# Altium PCB Synchronous Buck Solar Charge Controller Board.PcbDoc
Units mm, origin at the board's own origin, x right, y up, seen from the top; angles counter-clockwise.
Board outline 155.25 x 99.75 mm, 2 copper layers (Top Layer, Bottom Layer); 92 components, 42 nets, 268 pads, 42 vias.
Unrouted connection lines stored in the file: 1.
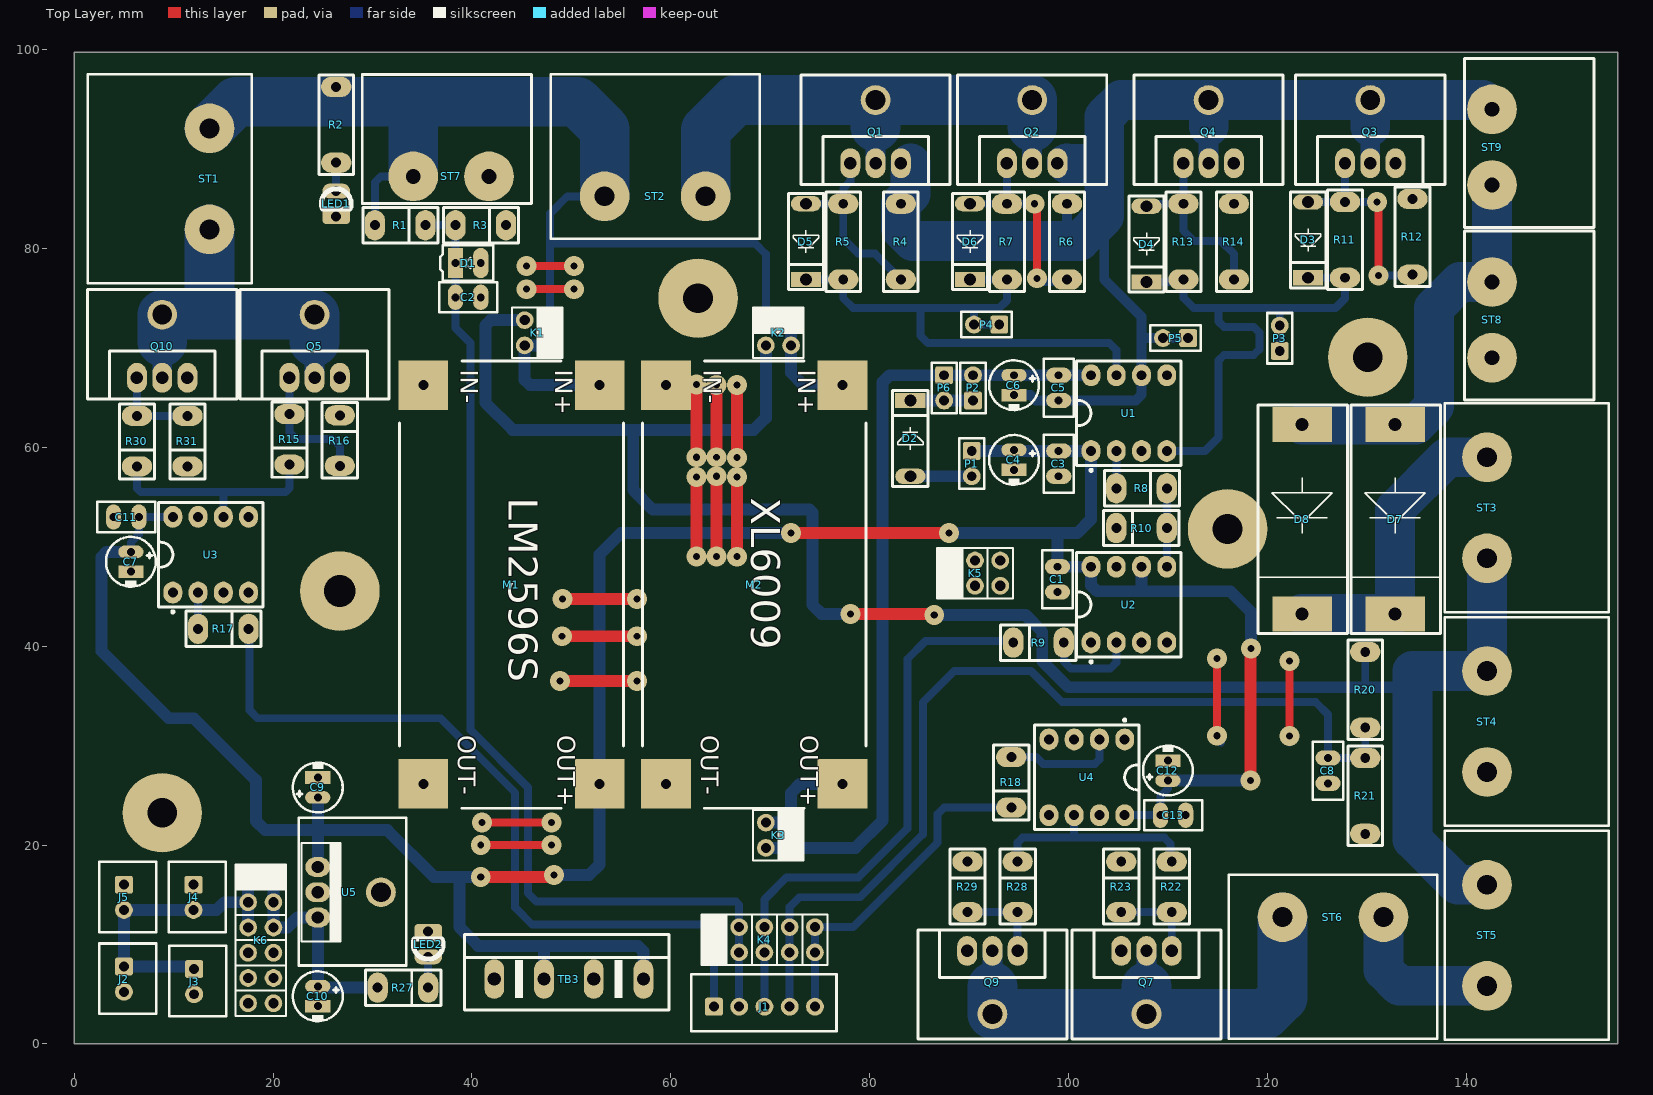
[diagram p0: Top Layer view]
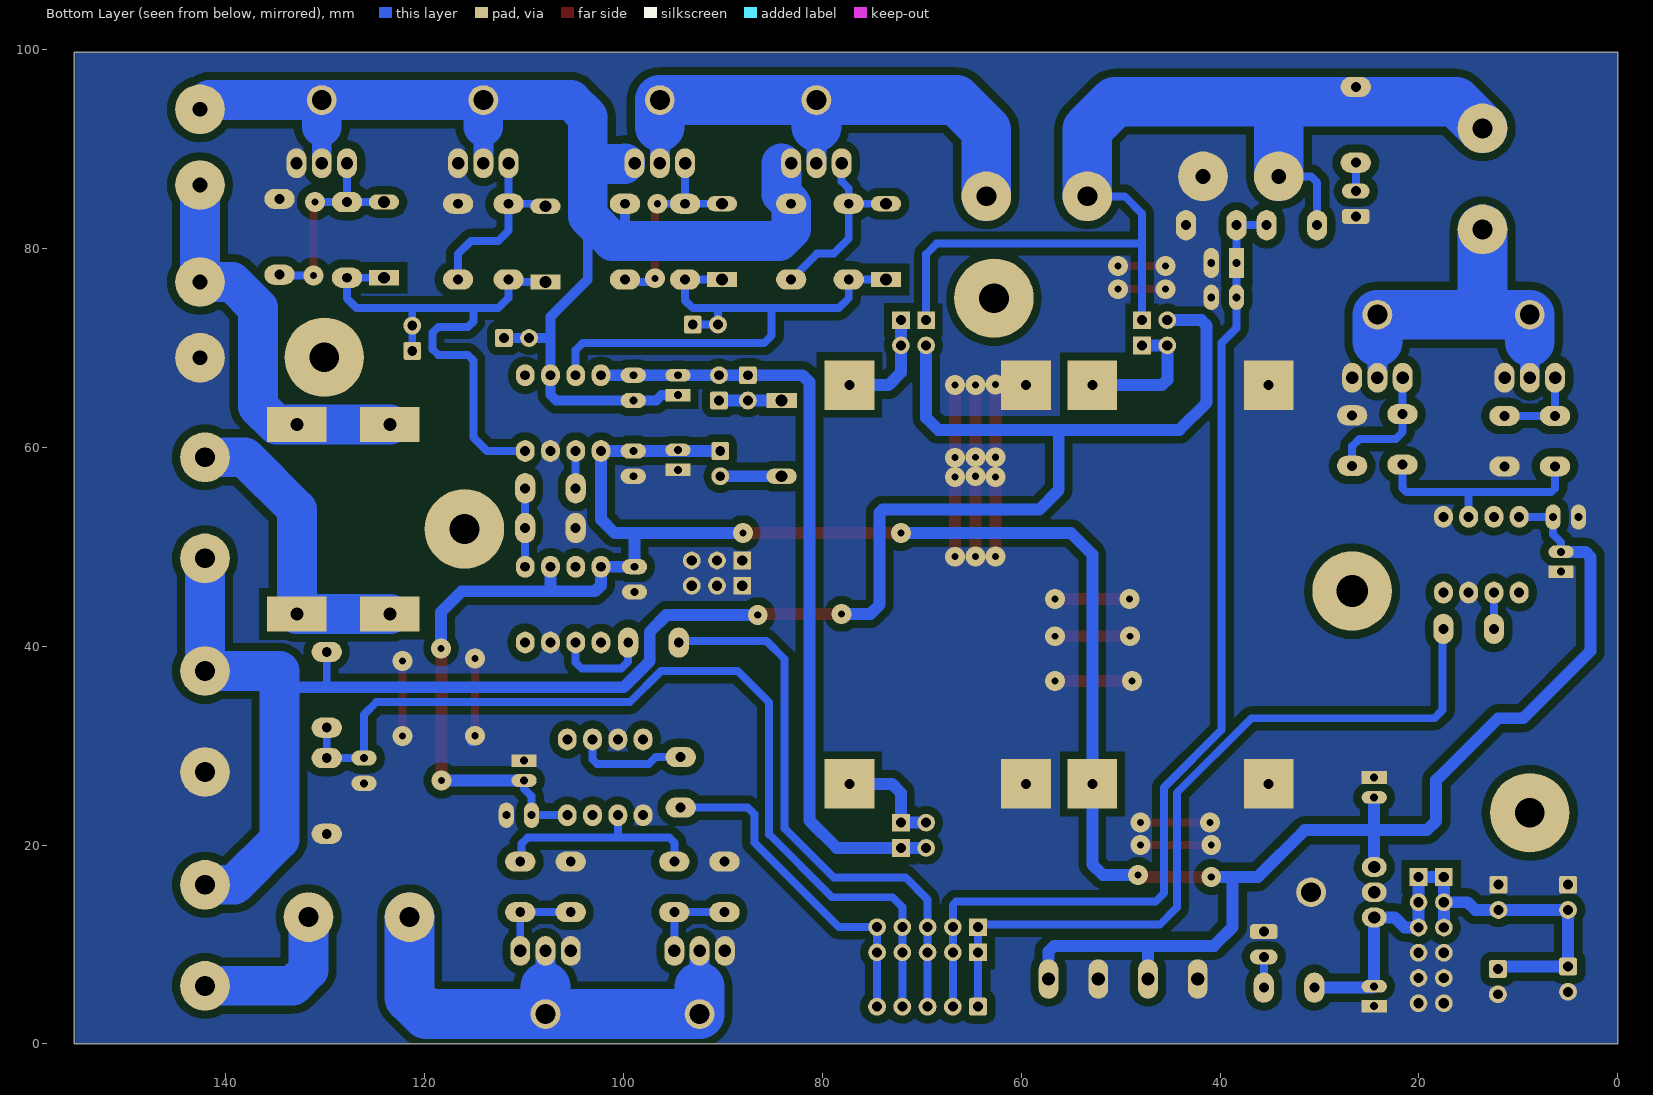
[diagram p1: Bottom Layer view, seen from below]

## Layer stack, top to bottom
Top Solder: solder mask 0.0102, Solder Resist, Dk 3.5
Top Layer: signal copper 0.0356
Dielectric 1: dielectric 0.32, FR-4, Dk 4.8
Bottom Layer: signal copper 0.0356
Bottom Solder: solder mask 0.0102, Solder Resist, Dk 3.5

## Board outline
0,0 0,99.75 155.25,99.75 155.25,0

## Design rules (kind name [scope] priority, off if disabled: settings)
Clearance Clearance_1 [InPolygon] p1: gap=0.8 ignorepadtopadclearanceinfootprint=FALSE
Clearance [All] p2: gap=0.5 ignorepadtopadclearanceinfootprint=FALSE
DiffPairsRouting [All] p1: maxlimit=0.254 minlimit=0.254 mostfreqgap=0.254 toplayer_minwidth=0.8 toplayer_maxwidth=0.8 toplayer_prefwidth=0.8 bottomlayer_minwidth=0.8 bottomlayer_maxwidth=0.8 bottomlayer_prefwidth=0.8 maxuncoupledlength=12.7
MatchedLengths "Schematic Matched Net Lengths" [InNet('G_N')] p1: tolerance=25.4 checknetsindiffpair=FALSE checkdiffpairvsdiffpair=TRUE checkxsignals=TRUE checkothers=TRUE
MatchedLengths "Schematic Matched Net Lengths_3" [InNet('G_P')] p2: tolerance=25.4 checknetsindiffpair=FALSE checkdiffpairvsdiffpair=TRUE checkxsignals=TRUE checkothers=TRUE
PlaneConnect [All] p1: planeconnectstyle=Direct reliefexpansion=0.508 reliefentries=4 reliefconductorwidth=0.254 reliefairgap=0.254
PolygonConnect [All] p1: connectstyle=Direct reliefconductorwidth=0.254 reliefentries=4 polygonreliefangle="90 Angle" airgapwidth=0.254
RoutingVias [All] p1: holewidth=0.711 width=2 viastyle="Through Hole" minholewidth=0.711 minwidth=2 maxholewidth=0.711 maxwidth=2
SolderMaskExpansion [All] p1: expansion=0.102 istentingtop=FALSE
Width [All] p1: maxlimit=5 minlimit=0.8 preferedwidth=0.8
28 further rules are at their usual default settings.

## Classes and differential pairs
differential pair class G: G
differential pair G: +G_P -G_N

## Components (designator, comment, footprint, x,y, rotation, side; value= is the part's Value field where it differs from the comment)
C1 "470nF" "CCAP 0.1 N Y" 98.89,46.73 r270 top
C2 "100pF" "CCAP 0.1 N Y" 39.62,75.1 r0 top
C3 "100nF" "CCAP 0.1 N Y" 99.02,58.37 r270 top
C4 "10uF/50V" "ECAP 5X11X2MM" 94.52,59.75 r270 top
C5 "100nF" "CCAP 0.1 N Y" 99.02,65.99 r270 top
C6 "10uF/50V" "ECAP 5X11X2MM" 94.52,67.26 r270 top
C7 "4.7uF/35V" "ECAP 5X11X2MM" 5.702,49.5 r270 top
C8 "100pF" "CCAP 0.1 N Y" 126.1,27.49 r270 top
C9 "10uF/35V" "ECAP 5X11X2MM" 24.5,24.8 r90 top
C10 "10uF/35V" "ECAP 5X11X2MM" 24.5,5.8 r270 top
C11 "100nF" "CCAP 0.1 N Y" 5.23,53 r180 top
C12 "4.7uF/35V" "ECAP 5X11X2MM" 110,26.5 r90 top
C13 "100nF" "CCAP 0.1 N Y" 110.52,23.01 r0 top
D1 "DIODE" DIODE-1N400X_0.1 39.62,78.544 r0 top
D2 "DIODE" DIODE-1N400X_0.3 84.1,60.91 r90 top
D3 "DIODE" DIODE-1N400X_0.3 124.1,80.875 r270 top
D4 "DIODE" DIODE-1N400X_0.3 107.85,80.45 r270 top
D5 "DIODE" DIODE-1N400X_0.3 73.6,80.7 r270 top
D6 "DIODE" DIODE-1N400X_0.3 90.1,80.7 r270 top
D7 "10A DIODE" "DIODE 10A 0.75" 132.85,52.775 r270 top
D8 "10A DIODE" "DIODE 10A 0.75" 123.5,52.775 r270 top
J1 "DATA CONNECTOR *5" "MOLEX *5_DATA CONNECTOR" 69.42,3.75 r0 top
J2 "DATA CONNECTOR *2" "MOLEX *2_DATA CONNECTOR" 5,6.52 r270 top
J3 "DATA CONNECTOR *2" "MOLEX *2_DATA CONNECTOR" 12.06,6.27 r270 top
J4 "DATA CONNECTOR *2" "MOLEX *2_DATA CONNECTOR" 12,14.75 r270 top
J5 "DATA CONNECTOR *2" "MOLEX *2_DATA CONNECTOR" 5,14.75 r270 top
K1 "HEADER-2X2-Male" HEADER-2X2 47.85,72.8 r270 top
K2 "HEADER-2X2-Male" HEADER-2X2 69.56,72.8 r0 top
K3 "HEADER-2X2-Male" HEADER-2X2 72.1,22.26 r270 top
K4 "HEADER-2X5-Male" HEADER-2X5 64.34,9.21 r90 top
K5 "HEADER-2X3-Male" HEADER-2X3 88.06,46.088 r90 top
K6 "HEADER-2X6-Male" HEADER-2X6 17.5,16.795 r0 top
LED1 "LED" "LED 3MM GREEN" 26.35,84.51 r270 top
LED2 "LED" "LED 3MM BLUE" 35.6,10.03 r90 top
M1 "LM2596" "LM2956S BUCK CONVETER" 43.98,46.21 r270 top
M2 "XL6009" "DC TO DC CONVERTER XL6009" 68.4,46.21 r270 top
P1 "Header - 2 - Male" "PINHEADER X2" 90.27,58.37 r270 top
P2 "Header - 2 - Male" "PINHEADER X2" 90.4,65.99 r90 top
P3 "Header - 2 - Male" "PINHEADER X2" 121.25,70.98 r90 top
P4 "Header - 2 - Male" "PINHEADER X2" 91.77,72.357 r180 top
P5 "Header - 2 - Male" "PINHEADER X2" 110.77,71 r180 top
P6 "Header - 2 - Male" "PINHEADER X2" 87.5,65.99 r270 top
Q1 "IRF3205SPBF" "TRANSISTOR/HEATSINK -TO-220" 80.6,91.76 r0 top
Q2 "IRF3205SPBF" "TRANSISTOR/HEATSINK -TO-220" 96.35,91.76 r0 top
Q3 "IRF3205SPBF" "TRANSISTOR/HEATSINK -TO-220" 130.35,91.76 r0 top
Q4 "IRF3205SPBF" "TRANSISTOR/HEATSINK -TO-220" 114.1,91.76 r0 top
Q5 "IRF3205SPBF" "TRANSISTOR/HEATSINK -TO-220" 24.176,70.175 r0 top
Q7 "IRF3205SPBF" "TRANSISTOR/HEATSINK -TO-220" 107.85,6.185 r180 top
Q9 "IRF3205SPBF" "TRANSISTOR/HEATSINK -TO-220" 92.35,6.185 r180 top
Q10 "IRF3205SPBF" "TRANSISTOR/HEATSINK -TO-220" 8.85,70.175 r0 top
R1 "30K" "RESISTOR _0" 32.784,82.35 r180 top
R2 "4.7K" "RESISTOR _1" 26.35,92.45 r90 top
R3 "7.5K" "RESISTOR _0" 40.89,82.35 r180 top
R4 "10K" "RESISTOR _1" 83.14,80.7 r90 top
R5 "10R" "RESISTOR _1" 77.35,80.7 r90 top
R6 "10K" "RESISTOR _1" 99.85,80.7 r90 top
R7 "10R" "RESISTOR _1" 93.81,80.7 r90 top
R8 "4.7R" "RESISTOR _0" 107.35,55.89 r180 top
R9 "330R" "RESISTOR _0" 96.988,40.37 r0 top
R10 "4.7K" "RESISTOR _0" 107.35,51.89 r0 top
R11 "10R" "RESISTOR _1" 127.81,80.875 r90 top
R12 "10K" "RESISTOR _1" 134.6,81.181 r270 top
R13 "10R" "RESISTOR _1" 111.56,80.7 r90 top
R14 "10K" "RESISTOR _1" 116.64,80.7 r270 top
R15 "4.7R" "RESISTOR _0" 21.654,60.81 r90 top
R16 "10K" "RESISTOR _0" 26.716,60.691 r270 top
R17 "470R" "RESISTOR _0" 15,41.75 r180 top
R18 "470R" "RESISTOR _0" 94.25,26.315 r90 top
R20 "30K" "RESISTOR _1" 129.85,35.62 r90 top
R21 "7.5K" "RESISTOR _1" 129.85,24.95 r90 top
R22 "4.7R" "RESISTOR _0" 110.39,15.8 r270 top
R23 "10K" "RESISTOR _0" 105.31,15.8 r270 top
R27 "1k" "RESISTOR _0" 33.06,5.666 r180 top
R28 "4.7R" "RESISTOR _0" 94.89,15.8 r270 top
R29 "10K" "RESISTOR _0" 89.85,15.8 r270 top
R30 "4.7R" "RESISTOR _0" 6.31,60.635 r90 top
R31 "10K" "RESISTOR _0" 11.39,60.635 r90 top
ST1 "SCREW TERMINAL" "SCREW TERMINAL" 13.6,87.01 r270 top
ST2 "SCREW TERMINAL" "SCREW TERMINAL" 58.43,85.26 r180 top
ST3 "SCREW TERMINAL" "SCREW TERMINAL" 142.1,53.93 r90 top
ST4 "SCREW TERMINAL" "SCREW TERMINAL" 142.1,32.43 r90 top
ST5 "SCREW TERMINAL" "SCREW TERMINAL" 142.1,10.93 r90 top
ST6 "SCREW TERMINAL" "SCREW TERMINAL" 126.6,12.76 r0 top
ST7 "2 Pole Power Terminal" "SCREW TERMINAL GREEN" 41.72,87.26 r180 top
ST8 "2 Pole Power Terminal" "SCREW TERMINAL GREEN" 142.6,69.02 r90 top
ST9 "2 Pole Power Terminal" "SCREW TERMINAL GREEN" 142.6,86.39 r90 top
TB3 "Terminal block 4 pin" AK500/4_BLUE 49.75,6.53 r0 top
U1 "IR2111" IC_DIP8 102.27,59.64 r90 top
U2 "6N136" IC_DIP8 102.27,40.38 r90 top
U3 "TLP250(F)" IC_DIP8 9.92,45.4 r90 top
U4 "TLP250(F)" IC_DIP8 105.656,30.63 r270 top
U5 "LM7805" "V-REG/HEATSINK - TO - 220" 27.675,15.26 r270 top

## Footprints (in the part's own frame and the unit in brackets; to place one, negate y for a bottom-side part, rotate by r counter-clockwise, add the part's x,y. Pads: shape width x height; smd on the part's side, far side on the other; paste and mask are expansions set on the pad)
AK500/4_BLUE [mil]
  oval 78x156 hole 52: 1(295.28,0) 2(98.43,0) 3(-98.43,0) 4(-295.28,0)
  silkscreen extent -413,-122 396,177, body extent -417,-120 394,179, height 402
"CCAP 0.1 N Y" [mm] "CERAMIC CAP"
  oval 1.524x2.54 hole 0.8: 1(-1.27,0) 2(1.27,0)
  silkscreen extent -2.92,-1.52 2.92,1.52, body extent -2.9,-0.81 2.95,0.88, height 6.73
"DC TO DC CONVERTER XL6009" [mm]
  rect 5x5 hole 1: IN+(-20.05,8.87) IN-(-20.05,-8.87) OUT+(20.05,8.87) OUT-(20.05,-8.87)
  silkscreen extent -22.5,-11.25 22.5,11.25, body extent -21.59,-10.54 21.59,10.54, height 12.75
"DIODE 10A 0.75" [mm]
  rect 3.556x6 hole 1.3: A(-9.525,0) K(9.525,0)
  silkscreen extent -11.5,-4.45 11.5,4.57, body extent -10.09,-4.35 10.09,4.45, height 9.1
DIODE-1N400X_0.1 [mil]
  oval 60x120 hole 31.5: A(50,0)
  rect 60x120 hole 31.5: K(-50,0)
  silkscreen extent -110,-70 100,70, body extent -60,-49 99,49, height 258
DIODE-1N400X_0.3 [mil]
  oval 60x120 hole 47.24: A(-150,0)
  rect 60x120 hole 47.24: K(150,0)
  silkscreen extent -190,-70 190,70, body extent -160,-48 160,50, height 99
"ECAP 5X11X2MM" [mm] "polarized cap"
  oval 1.27x2.54 hole 0.8: A(0,0)
  rect 1.27x2.54 hole 0.8: K(2,0)
  silkscreen extent -1.5,-2.5 3.5,2.5, body extent -1.5,-2.5 3.51,2.5, height 11.01
HEADER-2X2 [mil]
  rect 70x70 hole 40: 1(0,0) 2(100,0)
  round 70 hole 40: 3(0,-100) 4(100,-100)
  silkscreen extent -50,-150 150,50, body extent -50,-150 150,50, height 470
HEADER-2X3 [mil]
  rect 70x70 hole 40: 1(0,0) 2(100,0)
  round 70 hole 40: 3(0,-100) 4(100,-100) 5(0,-200) 6(100,-200)
  silkscreen extent -50,-250 150,50, body extent -50,-250 150,50, height 470
HEADER-2X5 [mil]
  rect 70x70 hole 40: 1(0,0) 2(100,0)
  round 70 hole 40: 3(0,-100) 4(100,-100) 5(0,-200) 6(100,-200) 7(0,-300) 8(100,-300) 9(0,-400) 10(100,-400)
  silkscreen extent -50,-450 150,50, body extent -50,-450 150,50, height 470
HEADER-2X6 [mil]
  rect 70x70 hole 40: 1(0,0) 2(100,0)
  round 70 hole 40: 3(0,-100) 4(100,-100) 5(0,-200) 6(100,-200) 7(0,-300) 8(100,-300) 9(0,-400) 10(100,-400) 11(0,-500) 12(100,-500)
  silkscreen extent -50,-550 150,50, body extent -50,-550 150,50, height 470
IC_DIP8 [mm]
  oval 2.2x1.9 hole 1: 1(0,0) 2(0,-2.54) 3(0,-5.08) 4(0,-7.62) 5(7.62,-7.62) 6(7.62,-5.08) 7(7.62,-2.54) 8(7.62,0)
  silkscreen extent -2.07,-9.06 9.06,1.44, body extent -1.27,-9.04 8.93,1.42, height 7.88
"LED 3MM BLUE" [mil]
  oval 60x110 hole 39.37: A(-50,0)
  rrect50% 60x110 hole 39.37: K(50,0)
  silkscreen extent -59,-59 20,59, body extent -65,-65 61,65, height 183
"LED 3MM GREEN" [mil]
  oval 60x110 hole 39.37: A(-50,0)
  rrect50% 60x110 hole 39.37: K(50,0)
  silkscreen extent -59,-59 20,59, body extent -65,-65 65,65, height 204
"LM2956S BUCK CONVETER" [mm]
  rect 5x5 hole 1: IN+(-20.05,8.87) IN-(-20.05,-8.87) OUT+(20.05,8.87) OUT-(20.05,-8.87)
  silkscreen extent -22.5,-11.25 22.5,11.25, body extent -21.59,-10.54 21.59,10.54, height 12.75
"MOLEX *2_DATA CONNECTOR" [mm]
  rrect25% 1.8x1.8 hole 1: 1(-1.27,0)
  round 1.8 hole 1: 2(1.27,0)
  silkscreen extent -3.59,-2.49 3.5,3.25, body extent -3.59,-2.49 3.59,3.35, height 7.31
"MOLEX *5_DATA CONNECTOR" [mm]
  rrect25% 1.8x1.8 hole 1: 1(-5.08,0)
  round 1.8 hole 1: 2(-2.54,0) 3(0,0) 4(2.54,0) 5(5.08,0)
  silkscreen extent -7.34,-2.49 7.25,3.25, body extent -7.34,-2.49 7.34,3.35, height 7.21
"PINHEADER X2" [mm]
  rrect25% 1.8x1.8 hole 1: 1(-1.27,0)
  round 1.8 hole 1: 2(1.27,0)
  silkscreen extent -2.54,-1.27 2.54,1.27, body extent -2.54,-1.27 2.54,1.27, height 9.5
"RESISTOR _0" [mil]
  oval 80x120 hole 39.37: 1(-100,0) 2(100,0)
  silkscreen extent -150,-70 148,70, body extent -144,-45 110,46, height 421
"RESISTOR _1" [mil]
  oval 80x120 hole 39.37: 1(-150,0) 2(150,0)
  silkscreen extent -197,-69 197,69, body extent -162,-47 162,47, height 95
"SCREW TERMINAL" [mm]
  round 5 hole 2: 1(-5.08,0) 2(5.08,0)
  silkscreen extent -10.5,-12.25 10.5,4.25, body extent -10.52,-12.18 10.53,4.32, height 18.5
"SCREW TERMINAL GREEN" [mm] "Terminal Block - 7.62mm - Assortment"
  round 5 hole 1.5: 1(0,0) 2(7.62,0)
  silkscreen extent -4.25,-10.25 12.75,2.75, body extent -4.29,-10.2 12.78,1.81, height 12.22
"TRANSISTOR/HEATSINK -TO-220" [mm] "TO-220_HS"
  oval 2x3 hole 1.25: 1(-2.54,-3.175) 2(0,-3.175) 3(2.54,-3.175)
  round 3 hole 2: 2(0,3.175)
  silkscreen extent -7.5,-5.3 7.5,5.7, body extent -7.49,-5.33 7.51,5.67, height 20
"V-REG/HEATSINK - TO - 220" [mm]
  oval 2x2.5 hole 1.25: 1(-2.54,-3.175) 2(0,-3.175) 3(2.54,-3.175)
  round 3 hole 2: 2(0,3.175)
  silkscreen extent -7.49,-5.08 7.37,5.72, body extent -7.42,-5.02 7.37,5.78, height 23.8

## Part data
C1: library part Ceramic_CAP_470nF
C2 C8: library part Ceramic_CAP_100pF
C3 C5 C11 C13: library part Ceramic_CAP_100nF
C4 C6: library part ECAP-10uF-50V, "10uF ±20% 50V 5x11 1000Hrs @ 105? Radial,5x11mm Aluminum Electrolytic Capacitors - Leaded RoHS"
C7 C12: library part ECAP-4.7uF-35V, "4.7uF ±20% 35V 5x11 7000Hrs @ 105? Radial,5x11mm Aluminum Electrolytic Capacitors - Leaded RoHS"
C9 C10: library part ECAP-10uF-35V, "10uF ±20% 35V 5x11 2000Hrs @ 105? Radial,5x11mm Aluminum Electrolytic Capacitors - Leaded RoHS"
D7 D8: library part DIODE_10A05, "10A05-THRU-10A10 / VOLTAGE RANGE 50 to 1000 Volts CURRENT 10 Amperes"
J1: "Data Cable JST 5-pin"
J2 J3 J4 J5: "Data Cable JST 2-pin"
M1: library part "DC TO DC CONVERTER LM2596", "ADJUSTABLE DC/DC POWER CONVERTER"
M2: library part "DC TO DC CONVERTER XL6009", "ADJUSTABLE DC/DC POWER CONVERTER"
P1 P2 P3 P4 P5 P6: "Header, 2-Pin", LatestRevisionDate=17-Jul-2002, LatestRevisionNote="Re-released for DXP Platform.", Publisher="Altium Limited"
Q1 Q2: "N-Channel 55V 110A _Tc_ 200W _Tc_ Surface Mount D2PAK", Package="D2PAK Infineon", Availability=Unavailable, MF="Infineon Technologies", MP=IRF3205SPBF, Price=None, SnapEDA_Link=https://www.snapeda.com/parts/IRF3205SPBF/Infineon%20Technologies/view-part/576468/?ref=snap
Q3 Q4 Q5 Q7 Q9 Q10: "N-Channel 55V 110A 200W", Package="D2PAK Infineon", Availability=Unavailable, MF="Infineon Technologies", MP=IRF3205SPBF, Price=None, SnapEDA_Link=https://www.snapeda.com/parts/IRF3205SPBF/Infineon%20Technologies/view-part/576468/?ref=snap
R1 R20: library part RESISTOR_30K
R2 R10: library part RESISTOR_4.7K
R3 R21: library part RESISTOR_7.5K
R4 R6 R12 R14 R16 R23 R29 R31: library part RESISTOR_10K
R5 R7 R11 R13: library part RESISTOR_10R
R8 R15 R22 R28 R30: library part RESISTOR_4.7R
R9: library part RESISTOR_330R
R17 R18: library part RESISTOR_470R
R27: library part RESISTOR_1K
ST1 ST2 ST3 ST4 ST5 ST6: "Barrier Terminal Block 2 Pin with cover 300V/25A"
ST7 ST8 ST9: library part "Screw Terminal Green", "KF762 Power Terminal Pitch 7.62mm Screw Block Connector 300V 20A 3Pin"
TB3: "Terminal Block 3 Pin 10A 300V"
U1: "IR2111 - 600 V 200/420 mA 20 V Supply Quad High And Low Side Driver - PDIP-8"
U2: "Optoisolator Transistor with Base Output 5300Vrms 1 Channel 8-DIP", Package="DIP-8 Vishay Semiconductor", Availability=Unavailable, MF="Vishay Semiconductor", MP=6N136, Price=None, SnapEDA_Link=https://www.snapeda.com/parts/6N136/Vishay%20Semiconductor%20Opto%20Division/view-part/2773791/?ref=snap
U3 U4: "Optocoupler; THT; Out: IGBT driver; 2.5kV; DIP8; 1.5A", Package="DIP-8 Toshiba", Availability=Unavailable, MF=Toshiba, MP=TLP250_F_, Price=None, SnapEDA_Link=https://www.snapeda.com/parts/TLP250%28F%29/Toshiba%20Semiconductor%20and%20Storage/view-part/?ref=snap
U5: "78xx Regulators"

## Free pads (board coordinates)
  round 8 hole 3: MH(8.85,23.25) MH(62.75,75.01) MH(116,51.799) MH(130.096,69.063)
  round 8 hole 3.2: MH(26.716,45.55)

## Via types
v1: diameter 2, hole 0.711, Top Layer to Bottom Layer, 24 vias
v2: diameter 2, hole 0.7, Top Layer to Bottom Layer, 18 vias

## Nets (pads, with @x,y where several pads share a name; then routed paths per layer and width w, separated by ;. In a path a pad name is that pad's centre, name@x,y a point inside that pad or via, vN(x,y) a via of type N, cw(c..) or ccw(c..) an arc to the next point about the centre after c; other vN are vias at no path point)
5V: C10.A J2.1 J3.1 J4.2 J5.2 K6.1 K6.2 K6.3 K6.4 K6.5 K6.6 R27.2 U5.3 | length 56.2
  Bottom Layer w1.2: J3.1 11.81,7.79 J2.1 J5.2 J4.2 14.339,13.48 15.114,14.255 K6.3 ; K6.5 K6.1 K6.2 K6.6 21.436,11.715 22.441,12.72 U5.3 C10.A 24.634,5.666 R27.2
12V: C1.1 C3.1 C4.A C7.A C9.A C11.1 C12.A C13.1 M1.OUT+ P1.1 TB3.1 TB3.3 U1.1 U2.6 U2.8 U3.8 U4.8 U5.1 | length 281.9
  Top Layer w1.2: v1(40.89,16.795) 48.045,16.795 v1(48.25,17) ; v1(72.1,51.382) 79.012,51.382 ; 79.25,51.382 v1(88,51.382) ; v1(118.295,26.5) 118.295,39.687 118.372,39.764 v1(118.35,39.786)
  Bottom Layer w0.8: C7.A 5.702,50.452 6.5,51.25 C11.1 6.52,53.02 U3.8 ; U4.8 C13.1 109.25,24.918 110,25.668 C12.A
  Bottom Layer w1.2: C7.A 3.25,49.5 2.75,49 2.75,39.5 9.49,32.76 12.04,32.76 18.269,26.531 18.269,22.429 19.197,21.5 24.5,21.5 ; C9.A 24.5,21.5 ; U5.1@24.56,17.86 U5.1 24.5,21.5 ; v1(40.89,16.795) 38.75,16.795 ; TB3.3 47.25,9.87 ; v1(48.25,17) 51.8,17 52.85,18.05 M1.OUT+ 52.85,49.254 54.978,51.382 v1(72.1,51.382) ; TB3.1 57.25,9.32 56.7,9.87 47.25,9.87 ; v1(88,51.382) 99.02,51.382 ; P1.1 C3.1 U1.1 102.27,52.77 100.882,51.382 99.02,51.382 ; U2.6 107.35,45.532 ; C12.A v1(118.295,26.5) ; v1(118.35,39.786) 118.35,43.465 116.283,45.532 107.35,45.532 ; 24.5,21.5 31.5,21.5 36.205,16.795 38.75,16.795 ; 38.75,16.795 38.75,11.75 40.63,9.87 47.25,9.87 ; 99.02,51.382 98.89,51.252 C1.1 U2.8 102.27,46.132 102.87,45.532 107.35,45.532
Battery_FB: C8.1 J1.4 K4.7 K4.8 R20.1 R21.2 | length 94.8
  Bottom Layer w0.8: J1.4 K4.8 71.96,13.773 72.947,14.76 79.02,14.76 85.35,21.09 85.35,34.35 88.512,37.512 96.241,37.512 99.376,34.377 124.873,34.377 126.1,33.15 C8.1 R21.2 R20.1
CELL_CUTOFF: R15.1 R30.1 U3.6 | length 22.7
  Bottom Layer w0.8: R30.1 6.31,55.89 6.7,55.5 15,55.5 ; U3.6 15,55.5 ; R15.1 21.654,55.904 21.25,55.5 15,55.5
CELL_EN: J1.1 K4.1 K4.2 R17.1 | length 78.7
  Bottom Layer w0.8: R17.1 17.62,41.67 17.62,33.586 18.446,32.76 36.85,32.76 44.35,25.26 44.35,13.72 46.07,12 64.09,12 K4.2 J1.1
G_N: D3.K D4.K P3.1 P3.2 R11.1 R13.1 U1.4 | length 58.5
  Bottom Layer w0.8: D4.K 111.31,76.64 R13.1 111.56,75.05 112.6,74.01 115.1,74.01 ; U1.4 113.74,59.64 115.1,61 115.1,63.76 115.1,68.75 115.66,69.31 118.637,69.31 119.197,69.87 119.197,71.55 118.637,72.11 115.66,72.11 115.1,72.67 115.1,73.51 115.1,74.01 ; P3.1 P3.2 121.25,74.01 ; D3.K R11.1 127.81,74.97 126.85,74.01 121.25,74.01 ; 115.1,74.01 121.25,74.01
G_P: D5.K D6.K P4.1 P4.2 R5.1 R7.1 U1.7 | length 58.5
  Bottom Layer w0.8: D5.K R5.1 77.35,75.01 78.35,74.01 85.1,74.01 ; D6.K R7.1 93.81,74.789 93.031,74.01 90.353,74.01 ; P4.1 P4.2 90.5,73.863 90.353,74.01 ; U1.7 104.81,69.8 104.1,70.51 85.85,70.51 85.1,71.26 85.1,74.01 ; 85.1,74.01 90.353,74.01
GND: C1.2 C2.2 C3.2 C4.K C7.K C8.2 C9.K C10.K C11.2 C12.K C13.2 D1.A J2.2 J3.2 J4.1 J5.1 K5.1 K5.2 K5.3 K5.4 K5.5 K5.6 K6.7 K6.8 K6.9 K6.10 K6.11 K6.12 LED1.K LED2.K M1.IN- M1.OUT- M2.IN- M2.OUT- Q3.3 Q4.3 Q5.3 Q7.3 Q9.3 Q10.3 R3.1 R10.1 R12.1 R14.1 R16.1 R21.1 R23.1 R29.1 R31.1 ST4.1 ST7.1 ST8.1 TB3.2 TB3.4 U1.3 U2.3 U3.3 U3.5 U4.3 U4.5 U5.2 | length 109.4
  Top Layer w0.8: v2(40.89,20) v2(48,20) ; v2(41,22.26) v2(48,22.26) ; v2(45.5,75.914) v2(50.25,75.914) ; v2(45.5,78.25) v2(50.25,78.25) ; v1(114.933,31) v1(114.933,38.781) ; v1(122.25,30.971) v1(122.25,38.511)
  Top Layer w1.2: v2(48.85,36.51) v2(56.591,36.51) ; v2(49.06,41.01) v2(56.591,41.01) ; v1(49.1,44.76) v1(56.591,44.76) ; v1(62.6,49.016) v1(62.6,57.01) ; v1(62.6,59.01) v1(62.6,66.335) ; v1(64.6,49.015) v1(64.6,57.1) ; v2(64.6,59.01) v2(64.6,66.26) ; v2(66.658,49.01) v2(66.658,57.01) ; v2(66.658,58.965) v2(66.658,66.26)
  Bottom Layer w0.8: v1(114.933,31) 114.933,30.76 v1@115.35,30.343 ; v1(122.25,30.971) 122.25,30.35 v1@122.257,30.343
  Bottom Layer w1.2: v1(62.6,57.01) v1@62.6,57.26
LAOD_CUTOFF: R22.1 R28.1 U4.6 | length 22.8
  Bottom Layer w0.8: R28.1 94.89,20.25 95.39,20.75 100.5,20.75 ; U4.6 100.576,20.826 100.5,20.75 ; R22.1 111.036,18.34 110.25,19.126 110.25,20.14 109.64,20.75 100.5,20.75
Load_EN: J1.5 K4.9 K4.10 R18.1 | length 34.4
  Bottom Layer w0.8: J1.5 K4.10 78.34,11.75 86.85,20.26 86.85,23.118 87.507,23.775 R18.1
NetD2_A: D2.A P1.2 | length 6.2
  Bottom Layer w1.2: D2.A P1.2
NetD2_K: D2.K P2.1 P6.2 | length 6.3
  Bottom Layer w1.2: D2.K P6.2 P2.1
NetD3_A: D3.A Q3.1 R11.2 R12.2 | length 21.6
  Top Layer w0.8: v1(131.2,77.3) v1@131.2,84.685
  Bottom Layer w0.8: D3.A R11.2 ; Q3.1 R11.2 ; v1(131.025,84.685) R11.2 ; v1(131.2,77.3) 134.529,77.3 R12.2
NetD4_A: D4.A Q4.1 R13.2 R14.2 | length 19.2
  Bottom Layer w0.8: D4.A 108.1,84.51 R13.2 ; Q4.1 R13.2 ; R14.2 116.64,79.47 115.35,80.76 112.6,80.76 111.56,81.8 R13.2
NetD5_A: D5.A Q1.1 R4.1 R5.2 | length 19.1
  Bottom Layer w0.8: D5.A R5.2 ; Q1.1 78.06,86.76 77.35,86.05 R5.2 ; R4.1 80.52,79.51 78.85,79.51 77.35,81.01 R5.2
NetD6_A: D6.A Q2.1 R6.1 R7.2 | length 21.7
  Top Layer w0.8: v1(96.6,84.51) 96.85,84.26 v1(96.85,77.01)
  Bottom Layer w0.8: D6.A R7.2 ; Q2.1 R7.2 ; v1(96.6,84.51) R7.2 ; v1(96.85,77.01) 96.85,76.64 99.6,76.64 R6.1
NetD7_A: D7.A D8.A ST8.2 ST9.1 | length 40.6
  Bottom Layer w4: D8.A D7.A 134.93,62.3 136.777,64.147 136.777,74.05 139.367,76.64 ST8.2 ST9.1
NetK1_2: K1.2 K1.4 M1.IN+ | length 13.8
  Bottom Layer w1.2: K1.2 K1.4 45.31,66.8 45.85,66.26 M1.IN+
NetK2_2: K2.2 K2.4 M2.IN+ | length 11
  Bottom Layer w1.2: K2.2 72.1,67.51 73.35,66.26 M2.IN+
NetK3_1: K3.1 K3.3 M2.OUT+ | length 11.1
  Bottom Layer w1.2: K3.3 K3.1 72.1,25.26 73,26.16 M2.OUT+
NetLED1_A: LED1.A R2.1 | length 2.9
  Bottom Layer w0.8: LED1.A R2.1
NetLED2_A: LED2.A R27.1 | length 3.1
  Bottom Layer w0.8: R27.1 LED2.A
NetQ5_1: Q5.1 R15.2 R16.2 | length 13.1
  Bottom Layer w0.8: Q5.1 21.654,66.982 R15.2 21.654,61.524 22.328,60.85 25.988,60.85 26.716,60.123 R16.2
NetQ5_2: Q5.2 Q10.2 ST1.2 | length 36.7
  Bottom Layer w2: Q10.2@8.85,67 8.85,70.617 ; Q5.2@24.176,67 24.176,70.617
  Bottom Layer w5: 8.85,70.617 8.85,73.35 13.85,73.35 ; ST1.2 13.6,73.6 13.85,73.35 ; 24.176,70.617 24.176,73.35 13.85,73.35
NetQ7_1: Q7.1 R22.2 R23.2 | length 9
  Bottom Layer w0.8: R23.2 R22.2 Q7.1
NetQ7_2: Q7.2 Q9.2 ST6.1 | length 50.6
  Bottom Layer w2: 92.35,5.743 Q9.2@92.35,9.36 ; 107.85,5.743 Q7.2@107.85,9.36
  Bottom Layer w5: 92.35,5.743 92.35,3.01 Q7.2@107.85,3.01 ; 107.85,5.743 Q7.2@107.85,3.01 ; ST6.1 121.52,4.68 119.85,3.01 Q7.2@107.85,3.01
NetQ9_1: Q9.1 R28.2 R29.2 | length 8.9
  Bottom Layer w0.8: R29.2 R28.2 Q9.1
NetQ10_1: Q10.1 R30.2 R31.2 | length 8.9
  Bottom Layer w0.8: Q10.1 R30.2 R31.2
NetR8_1: R8.1 R10.2 U2.5 | length 7.9
  Bottom Layer w0.8: U2.5 R10.2 R8.1
NetR8_2: R8.2 U1.2 | length 3.8
  Bottom Layer w0.8: R8.2 U1.2
NetR9_2: R9.2 U2.2 | length 9.7
  Bottom Layer w0.8: R9.2 99.528,38.468 100.246,37.75 104.192,37.75 104.81,38.368 U2.2
NetR17_2: R17.2 U3.2 | length 3.7
  Bottom Layer w0.8: R17.2 U3.2
NetR18_2: R18.2 U4.2 | length 11.4
  Bottom Layer w0.8: R18.2 96.758,28.855 97.456,28.157 102.646,28.157 103.116,28.627 U4.2
NetST5_1: ST5.1 ST6.2 | length 16.4
  Bottom Layer w4: ST6.2 131.68,7.444 133.274,5.85 ST5.1
PWM: J1.3 K4.5 K4.6 R9.1 | length 56.6
  Bottom Layer w0.8: J1.3 K4.5 K4.6 69.42,14.54 71.64,16.76 78.89,16.76 83.79,21.66 83.79,38.7 85.61,40.52 94.298,40.52 R9.1
VB: C5.1 C6.A K3.2 K3.4 P2.2 P6.1 U1.8 | length 78.2
  Bottom Layer w1.2: K3.4 K3.2 78.56,19.72 81.3,22.46 81.3,64.92 81.3,66.56 82,67.26 P6.1 P2.2 C6.A C5.1 U1.8
VBAT: K1.3 K2.3 R20.2 ST3.1 ST4.2 ST5.2 | length 197.7
  Top Layer w1.2: v1(78.059,43.25) 86.394,43.25 v1(86.5,43.144)
  Bottom Layer w0.8: 129.85,35.877 R20.2
  Bottom Layer w1.2: K1.3 41.89,72.8 41.35,72.26 41.35,64.51 44.1,61.76 56.225,61.76 ; K2.3 69.56,62.97 68.35,61.76 56.225,61.76 ; v1(78.059,43.25) 75.176,43.25 74.25,44.176 74.25,53.441 73.941,53.75 58.19,53.75 56.225,55.715 56.225,61.76 ; v1(86.5,43.144) 95.676,43.144 97.363,41.457 97.363,38.511 99.997,35.877 129.85,35.877 ; 130,35.877 133.983,35.877 134.6,35.26
  Bottom Layer w4: ST5.2 139.148,16.01 134.6,20.558 134.6,35.26 134.6,37.51 ST4.2 ST3.1
VCELL: K1.1 K2.1 R1.2 R2.2 ST1.1 ST2.2 ST7.2 | length 110.7
  Bottom Layer w0.8: R1.2 30.244,86.663 30.841,87.26 ST7.2 ; K1.1 47.85,80.5 ; ST2.2 49.6,85.26 47.85,83.51 47.85,80.5 ; K2.1 69.56,79.44 68.5,80.5 47.85,80.5
  Bottom Layer w5: ST1.1 16.27,94.76 33.35,94.76 ; ST7.2 34.1,94.01 33.35,94.76 ; ST2.2 53.35,92.01 50.6,94.76 33.35,94.76
VIN: Q1.2 Q2.2 ST2.1 | length 53.4
  Bottom Layer w2: Q1.2@80.6,88.585 80.6,92.26 ; Q2.2@96.35,88.585 96.35,92.26
  Bottom Layer w5: ST2.1 63.51,91.92 66.525,94.935 Q1.2@80.6,94.935 ; 80.6,92.26 Q1.2@80.6,94.935 ; 96.35,92.26 96.35,94.935 Q1.2@80.6,94.935
VIN_FB: C2.1 D1.K J1.2 K4.3 K4.4 R1.1 R3.2 | length 105.2
  Bottom Layer w0.8: R1.1 R3.2 D1.K C2.1 38.35,72 39.85,70.5 39.85,31.598 45.65,25.798 45.65,15.17 46.507,14.313 66.567,14.313 66.88,14 K4.4 J1.2
VOUT: D7.K D8.K ST3.2 | length 31.3
  Bottom Layer w4: D8.K D7.K 132.85,53.76 138.1,59.01 ST3.2
VS: C5.2 C6.K P5.1 P5.2 Q1.3 Q2.3 Q3.2 Q4.2 R4.2 R6.2 ST9.2 U1.6 | length 137.4
  Bottom Layer w1: C6.K 96.166,65.26 96.706,64.72 C5.2 106.774,64.72 107.35,65.296 U1.6 107.35,71.126 ; R6.2 99.85,82.01 101.1,80.76 ; 103.6,83.26 103.6,76.9 107.35,73.15 107.35,71.126 ; P5.1 P5.2 107.476,71 107.35,71.126
  Bottom Layer w2: Q4.2@114.1,88.585 114.1,92.26 ; Q3.2@130.35,88.585 130.35,92.26
  Bottom Layer w4: Q1.3@84.1,88.585 84.1,85.47 R4.2 83.14,81.97 84.35,80.76 101.1,80.76 103.6,83.26 103.6,88.51 ; Q2.3@99.85,88.585 99.925,88.51 103.6,88.51 ; 114.1,92.26 Q4.2@114.1,94.935 ; 130.35,92.26 Q3.2@130.35,94.935 ; ST9.2 141.675,94.935 Q3.2@130.35,94.935 ; 103.6,88.51 103.6,93.26 105.275,94.935 Q4.2@114.1,94.935 ; Q4.2@114.1,94.935 Q3.2@130.35,94.935
pads on no net: U1.5 U2.1 U2.4 U2.7 U3.1 U3.4 U3.7 U4.1 U4.4 U4.7

## Polygon pours and split planes (outlines as drawn)
GND on Bottom Layer "GND_L02_P004" (solid, remove dead copper, pour order 4): 0.1,0.01 0.1,99.75 155.1,99.75 155.1,0.01

## Silkscreen, mask and mechanical layers (free items; w line width, h text height)
Mechanical 1:
  the board outline again, w0.3

## Text inside footprints (layer, text, board x,y; h text height)
M1: Top Overlay "LM2596S" at 42.73,54.96 h5 r270; Top Overlay "IN-" at 38.277,67.805 h3.05 r270; Top Overlay "IN+" at 47.777,67.805 h3.05 r270; Top Overlay "OUT+" at 48.027,31.055 h3.05 r270; Top Overlay "OUT-" at 38.027,31.055 h3.05 r270
M2: Top Overlay "OUT-" at 62.447,31.055 h3.05 r270; Top Overlay "OUT+" at 72.447,31.055 h3.05 r270; Top Overlay "IN+" at 72.197,67.805 h3.05 r270; Top Overlay "IN-" at 62.697,67.805 h3.05 r270